# KiCad board Sofle_Pico_Panel.kicad_pcb (continued)
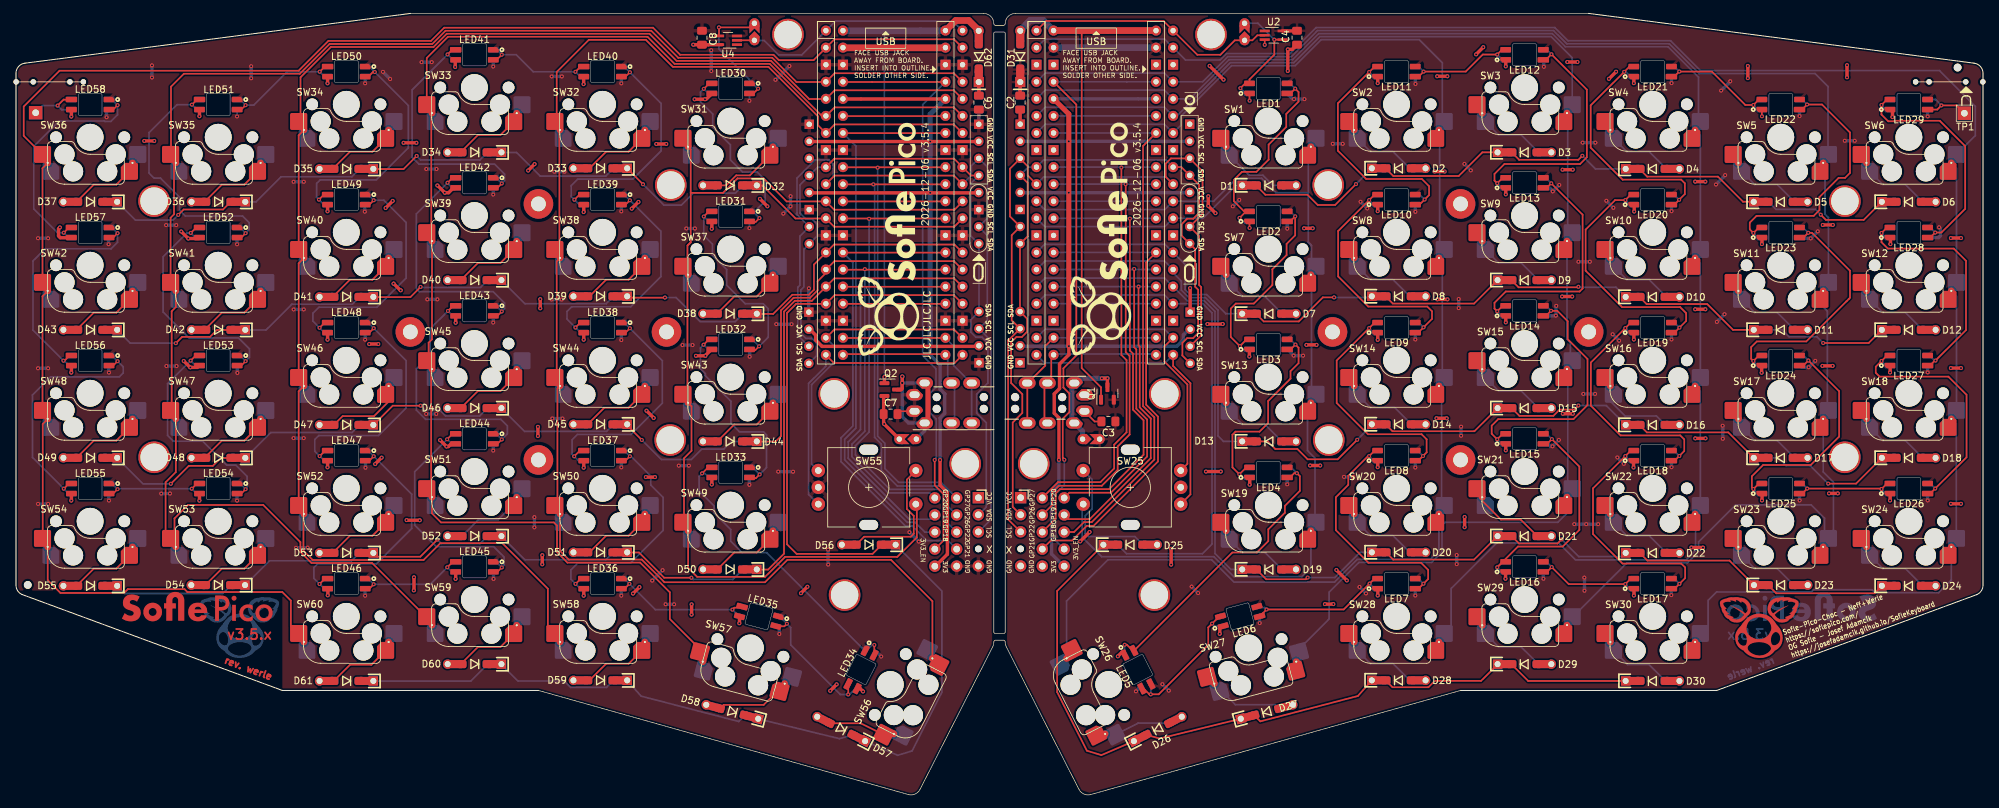
[diagram p0: board, top side]
## Footprints (pads in the part's own frame, mm; a bottom-side part is the same pattern mirrored in y, then rotated) (continued)
OLED SSD1306 128x64
  round 1.397 hole 0.813: 1(3.82,-12.575) 1(3.82,12.635) 1(13.98,-12.575) 1(13.98,12.635) 2(1.28,-12.575) 2(1.28,12.635) 2(11.44,-12.575) 2(11.44,12.635) 3(-1.26,-12.575) 3(-1.26,12.635) 3(6.36,-12.575) 3(6.36,12.635)
  rect 1.397x1.397 hole 0.813: 4(-3.8,-12.575) 4(-3.8,12.635) 4(8.9,-12.575) 4(8.9,12.635)
Pimaroni_PinHeader_1x05_P2.54mm_Vertical Sofle v3b
  round 1 hole 1 unplated: (0,-7.62)
  rect 1.7x1.7 hole 1: 1(0,0)
  oval 1.7x1.7 hole 1: 2(0,-2.54) 3(0,-5.08) 5(0,-10.16)
PinHeader_1x05_P2.54mm_Vertical
  round 1.7 hole 1: 1(0,0)
  oval 1.7x1.7 hole 1: 2(0,-2.54) 3(0,-5.08) 4(0,-7.62) 5(0,-10.16)
RotaryEncoder_Alps_EC11E-Switch_Vertical_H20mm-keebio_modified
  oval 2.8x1.5 hole 2.8x1.5 unplated: (0,5.6) (0,-5.6)
  round 2 hole 1: A(-7.5,2.5) B(-7.5,-2.5) C(-7.5,0) S1(7,-2.5) S2(7,2.5)
RPi_Pico_SMD_TH_DS
  round 1.5 hole 0.8: 1(-10.16,24.13) 1(10.16,24.13) 2(-10.16,21.59) 2(10.16,21.59) 4(-10.16,16.51) 4(10.16,16.51) 5(-10.16,13.97) 5(10.16,13.97) 6(-10.16,11.43) 6(10.16,11.43) 7(-10.16,8.89) 7(10.16,8.89) 9(-10.16,3.81) 9(10.16,3.81) 10(-10.16,1.27) 10(10.16,1.27) 11(-10.16,-1.27) 11(10.16,-1.27) 12(-10.16,-3.81) 12(10.16,-3.81) 14(-10.16,-8.89) 14(10.16,-8.89) 15(-10.16,-11.43) 15(10.16,-11.43) 16(-10.16,-13.97) 16(10.16,-13.97) 17(-10.16,-16.51) 17(10.16,-16.51) 19(-10.16,-21.59) 19(10.16,-21.59) 20(-10.16,-24.13) 20(10.16,-24.13) 21(-7.62,-24.13) 21(7.62,-24.13) 22(-7.62,-21.59) 22(7.62,-21.59) 24(-7.62,-16.51) 24(7.62,-16.51) 25(-7.62,-13.97) 25(7.62,-13.97) 26(-7.62,-11.43) 26(7.62,-11.43) 27(-7.62,-8.89) 27(7.62,-8.89) 29(-7.62,-3.81) 29(7.62,-3.81) 30(-7.62,-1.27) 30(7.62,-1.27) 31(-7.62,1.27) 31(7.62,1.27) 32(-7.62,3.81) 32(7.62,3.81) 34(-7.62,8.89) 34(7.62,8.89) 35(-7.62,11.43) 35(7.62,11.43) 36(-7.62,13.97) 36(7.62,13.97) 37(-7.62,16.51) 37(7.62,16.51) 39(-7.62,21.59) 39(7.62,21.59) 40(-7.62,24.13) 40(7.62,24.13)
  rect 1.5x1.5 hole 0.8: 3(-10.16,19.05) 3(10.16,19.05) 8(-10.16,6.35) 8(10.16,6.35) 13(-10.16,-6.35) 13(10.16,-6.35) 18(-10.16,-19.05) 18(10.16,-19.05) 23(-7.62,-19.05) 23(7.62,-19.05) 28(-7.62,-6.35) 28(7.62,-6.35) 33(-7.62,6.35) 33(7.62,6.35) 38(-7.62,19.05) 38(7.62,19.05)
SK6803_MINI-E_V2
  rrect 1.6x0.82 smd: 1(2.8,0.75) 2(2.8,-0.75) 3(-2.8,-0.75)
  rrect 1.6x0.82 smd far side: 1(2.8,-0.75) 2(2.8,0.75) 3(-2.8,0.75) 4(-2.8,-0.75)
  rrect 1.7x0.82 smd: 4(-2.8,0.75)
SK6803_MINI-E_V2#2
  rrect 1.6x0.82 smd: 1(2.8,0.75) 2(2.8,-0.75) 3(-2.8,-0.75)
  rrect 1.6x0.82 smd far side: 1(2.8,-0.75) 2(2.8,0.75) 3(-2.8,0.75) 4(-2.8,-0.75)
  rrect 1.7x0.82 smd: 4(-2.8,0.75)
SK6803_MINI-E_V2#3
  rrect 1.6x0.82 smd: 1(2.8,0.75) 2(2.8,-0.75) 3(-2.8,-0.75)
  rrect 1.6x0.82 smd far side: 1(2.8,-0.75) 2(2.8,0.75) 3(-2.8,0.75) 4(-2.8,-0.75)
  rrect 1.7x0.82 smd: 4(-2.8,0.75)
sofle diode jig
  round 0.8 hole 0.8 unplated: (-10,0) (-8,0) (-2.54,0) (0,0)
SOT-23
  rrect 1.475x0.6 smd: 1(-0.938,0.95) 2(-0.938,-0.95) 3(0.938,0)
SOT-353_SC-70-5_Handsoldering
  rect 1.5x0.4 smd: 1(-1.33,0.65) 2(-1.33,0) 3(-1.33,-0.65) 4(1.33,-0.65) 5(1.33,0.65)
Tenting_Puck.kicad_mod_nocenter_v2
  round 4.4 hole 2.2: 1(-19.05,0) 1(0,19.05) 1(0,-19.05) 1(19.05,0)
TestPoint_THTPad_2.0x2.0mm_Drill1.0mm
  rect 2x2 hole 1: 1(0,0)

## Nets
/Pri/3V3: J3.3 J4.3 J6.5 J7.3 U1.36
/Pri/3V3_EN: J6.4 U1.37
/Sec/3V3: J8.3 J9.3 J10.3 J11.5 U3.36
/Sec/3V3_EN: J11.4 U3.37
GND: C1.2 C2.2 C3.2 C4.2 C5.2 C6.2 C7.2 C8.2 J1.5 J2.1 J3.4 J4.4 J5.5 J7.4 J8.4 J9.4 J10.4 J12.5 J13.1 J14.5 LED1.1 LED2.1 LED3.1 LED4.1 LED5.1 LED6.1 LED7.1 LED8.1 LED9.1 LED10.1 LED11.1 LED12.1 LED13.1 LED14.1 LED15.1 LED16.1 LED17.1 LED18.1 LED19.1 LED20.1 LED21.1 LED22.1 LED23.1 LED24.1 LED25.1 LED26.1 LED27.1 LED28.1 LED29.1 LED30.1 LED31.1 LED32.1 LED33.1 LED34.1 LED35.1 LED36.1 LED37.1 LED38.1 LED39.1 LED40.1 LED41.1 LED42.1 LED43.1 LED44.1 LED45.1 LED46.1 LED47.1 LED48.1 LED49.1 LED50.1 LED51.1 LED52.1 LED53.1 LED54.1 LED55.1 LED56.1 LED57.1 LED58.1 SW25.C SW55.C U1.3 U1.8 U1.13 U1.18 U1.23 U1.28 U1.33 U1.38 U2.3 U3.3 U3.8 U3.13 U3.18 U3.23 U3.28 U3.33 U3.38 U4.3
VBUS: D31.2 D62.2 Q1.1 Q2.1 U1.40 U3.40
/Pri/col0: SW6.1 SW12.1 SW18.1 SW24.1 SW30.1 U1.2
/Pri/col1: SW5.1 SW11.1 SW17.1 SW23.1 SW29.1 U1.4
/Pri/col2: SW4.1 SW10.1 SW16.1 SW22.1 SW28.1 U1.5
/Pri/col3: SW3.1 SW9.1 SW15.1 SW21.1 SW27.1 U1.6
/Pri/col4: SW2.1 SW8.1 SW14.1 SW20.1 SW26.2 U1.7
/Pri/col5: SW1.1 SW7.1 SW13.1 SW19.1 SW25.S1 U1.11
/Pri/enca: SW25.A U1.19
/Pri/encb: SW25.B U1.20
/Pri/ENCB_SW: D25.2 SW25.S2
/Pri/gp18: U1.24
/Pri/gp19: J6.2 U1.25
/Pri/gp20: J6.1 U1.26
/Pri/gp21: J5.4 U1.27
/Pri/gp22: J5.3 U1.29
/Pri/gp26: J5.2 U1.31
/Pri/gp27: J5.1 U1.32
/Pri/gp28: J6.3 U1.34
/Pri/LED: JP2.1 U1.1 U2.2
/Pri/LEDOUT: JP2.2 LED1.2 U2.4
/Pri/row0: D1.1 D2.1 D3.1 D4.1 D5.1 D6.1 U1.12
/Pri/row1: D7.1 D8.1 D9.1 D10.1 D11.1 D12.1 U1.14
/Pri/row2: D13.1 D14.1 D15.1 D16.1 D17.1 D18.1 U1.15
/Pri/row3: D19.1 D20.1 D21.1 D22.1 D23.1 D24.1 U1.16
/Pri/row4: D25.1 D26.1 D27.1 D28.1 D29.1 D30.1 U1.17
/Pri/RX: J2.4 U1.22
/Pri/SCL: J1.3 J3.2 J4.2 J7.2 U1.10
/Pri/SDA: J1.2 J3.1 J4.1 J7.1 U1.9
/Pri/TX: J2.3 U1.21
/Sec/col0: SW36.1 SW42.1 SW48.1 SW54.1 SW60.1 U3.2
/Sec/col1: SW35.1 SW41.1 SW47.1 SW53.1 SW59.1 U3.4
/Sec/col2: SW34.1 SW40.1 SW46.1 SW52.1 SW58.1 U3.5
/Sec/col3: SW33.1 SW39.1 SW45.1 SW51.1 SW57.1 U3.6
/Sec/col4: SW32.1 SW38.1 SW44.1 SW50.1 SW56.2 U3.7
/Sec/col5: SW31.1 SW37.1 SW43.1 SW49.1 SW55.S1 U3.11
/Sec/enca: SW55.A U3.19
/Sec/encb: SW55.B U3.20
/Sec/ENCB_SW: D56.2 SW55.S2
/Sec/gp18: U3.24
/Sec/gp19: J11.2 U3.25
/Sec/gp20: J11.1 U3.26
/Sec/gp21: J12.4 U3.27
/Sec/gp22: J12.3 U3.29
/Sec/gp26: J12.2 U3.31
/Sec/gp27: J12.1 U3.32
/Sec/gp28: J11.3 U3.34
/Sec/LED: JP4.1 U3.1 U4.2
/Sec/LEDOUT: JP4.2 LED30.2 U4.4
/Sec/row0: D32.1 D33.1 D34.1 D35.1 D36.1 D37.1 U3.12
/Sec/row1: D38.1 D39.1 D40.1 D41.1 D42.1 D43.1 U3.14
/Sec/row2: D44.1 D45.1 D46.1 D47.1 D48.1 D49.1 U3.15
/Sec/row3: D50.1 D51.1 D52.1 D53.1 D54.1 D55.1 U3.16
/Sec/row4: D56.1 D57.1 D58.1 D59.1 D60.1 D61.1 U3.17
/Sec/RX: J13.4 U3.22
/Sec/SCL: J8.2 J9.2 J10.2 J14.3 U3.10
/Sec/SDA: J8.1 J9.1 J10.1 J14.2 U3.9
/Sec/TX: J13.3 U3.21
VDC: C1.1 C2.1 C3.1 C4.1 C5.1 C6.1 C7.1 C8.1 D31.1 D62.1 J1.1 J14.1 JP1.2 JP3.2 LED1.3 LED2.3 LED3.3 LED4.3 LED5.3 LED6.3 LED7.3 LED8.3 LED9.3 LED10.3 LED11.3 LED12.3 LED13.3 LED14.3 LED15.3 LED16.3 LED17.3 LED18.3 LED19.3 LED20.3 LED21.3 LED22.3 LED23.3 LED24.3 LED25.3 LED26.3 LED27.3 LED28.3 LED29.3 LED30.3 LED31.3 LED32.3 LED33.3 LED34.3 LED35.3 LED36.3 LED37.3 LED38.3 LED39.3 LED40.3 LED41.3 LED42.3 LED43.3 LED44.3 LED45.3 LED46.3 LED47.3 LED48.3 LED49.3 LED50.3 LED51.3 LED52.3 LED53.3 LED54.3 LED55.3 LED56.3 LED57.3 LED58.3 Q1.2 Q2.2 U1.39 U2.5 U3.39 U4.5
Net-(D1-A): D1.2 SW1.2
Net-(D2-A): D2.2 SW2.2
Net-(D3-A): D3.2 SW3.2
Net-(D4-A): D4.2 SW4.2
Net-(D5-A): D5.2 SW5.2
Net-(D6-A): D6.2 SW6.2
Net-(D7-A): D7.2 SW7.2
Net-(D8-A): D8.2 SW8.2
Net-(D9-A): D9.2 SW9.2
Net-(D10-A): D10.2 SW10.2
Net-(D11-A): D11.2 SW11.2
Net-(D12-A): D12.2 SW12.2
Net-(D13-A): D13.2 SW13.2
Net-(D14-A): D14.2 SW14.2
Net-(D15-A): D15.2 SW15.2
Net-(D16-A): D16.2 SW16.2
Net-(D17-A): D17.2 SW17.2
Net-(D18-A): D18.2 SW18.2
Net-(D19-A): D19.2 SW19.2
Net-(D20-A): D20.2 SW20.2
Net-(D21-A): D21.2 SW21.2
Net-(D22-A): D22.2 SW22.2
Net-(D23-A): D23.2 SW23.2
Net-(D24-A): D24.2 SW24.2
Net-(D26-A): D26.2 SW26.1
Net-(D27-A): D27.2 SW27.2
Net-(D28-A): D28.2 SW28.2
Net-(D29-A): D29.2 SW29.2
Net-(D30-A): D30.2 SW30.2
Net-(D32-A): D32.2 SW31.2
Net-(D33-A): D33.2 SW32.2
Net-(D34-A): D34.2 SW33.2
Net-(D35-A): D35.2 SW34.2
Net-(D36-A): D36.2 SW35.2
Net-(D37-A): D37.2 SW36.2
Net-(D38-A): D38.2 SW37.2
Net-(D39-A): D39.2 SW38.2
Net-(D40-A): D40.2 SW39.2
Net-(D41-A): D41.2 SW40.2
Net-(D42-A): D42.2 SW41.2
Net-(D43-A): D43.2 SW42.2
Net-(D44-A): D44.2 SW43.2
Net-(D45-A): D45.2 SW44.2
Net-(D46-A): D46.2 SW45.2
Net-(D47-A): D47.2 SW46.2
Net-(D48-A): D48.2 SW47.2
Net-(D49-A): D49.2 SW48.2
Net-(D50-A): D50.2 SW49.2
Net-(D51-A): D51.2 SW50.2
Net-(D52-A): D52.2 SW51.2
Net-(D53-A): D53.2 SW52.2
Net-(D54-A): D54.2 SW53.2
Net-(D55-A): D55.2 SW54.2
Net-(D57-A): D57.2 SW56.1
Net-(D58-A): D58.2 SW57.2
Net-(D59-A): D59.2 SW58.2
Net-(D60-A): D60.2 SW59.2
Net-(D61-A): D61.2 SW60.2
Net-(JP1-A): J2.2 JP1.1 Q1.3
Net-(JP3-A): J13.2 JP3.1 Q2.3
Net-(LED1-DOUT): LED1.4 LED2.2
Net-(LED2-DOUT): LED2.4 LED3.2
Net-(LED3-DOUT): LED3.4 LED4.2
Net-(LED4-DOUT): LED4.4 LED5.2
Net-(LED5-DOUT): LED5.4 LED6.2
Net-(LED6-DOUT): LED6.4 LED7.2
Net-(LED7-DOUT): LED7.4 LED8.2
Net-(LED8-DOUT): LED8.4 LED9.2
Net-(LED10-DIN): LED9.4 LED10.2
Net-(LED10-DOUT): LED10.4 LED11.2
Net-(LED11-DOUT): LED11.4 LED12.2
Net-(LED12-DOUT): LED12.4 LED13.2
Net-(LED13-DOUT): LED13.4 LED14.2
Net-(LED14-DOUT): LED14.4 LED15.2
Net-(LED15-DOUT): LED15.4 LED16.2
Net-(LED16-DOUT): LED16.4 LED17.2
Net-(LED17-DOUT): LED17.4 LED18.2
Net-(LED18-DOUT): LED18.4 LED19.2
Net-(LED19-DOUT): LED19.4 LED20.2
Net-(LED20-DOUT): LED20.4 LED21.2
Net-(LED21-DOUT): LED21.4 LED22.2
Net-(LED22-DOUT): LED22.4 LED23.2
Net-(LED23-DOUT): LED23.4 LED24.2
Net-(LED24-DOUT): LED24.4 LED25.2
Net-(LED25-DOUT): LED25.4 LED26.2
Net-(LED26-DOUT): LED26.4 LED27.2
Net-(LED27-DOUT): LED27.4 LED28.2
Net-(LED28-DOUT): LED28.4 LED29.2
Net-(LED29-DOUT): LED29.4 TP1.1
Net-(LED30-DOUT): LED30.4 LED31.2
Net-(LED31-DOUT): LED31.4 LED32.2
Net-(LED32-DOUT): LED32.4 LED33.2
Net-(LED33-DOUT): LED33.4 LED34.2
Net-(LED34-DOUT): LED34.4 LED35.2
Net-(LED35-DOUT): LED35.4 LED36.2
Net-(LED36-DOUT): LED36.4 LED37.2
Net-(LED37-DOUT): LED37.4 LED38.2
Net-(LED38-DOUT): LED38.4 LED39.2
Net-(LED39-DOUT): LED39.4 LED40.2
Net-(LED40-DOUT): LED40.4 LED41.2
Net-(LED41-DOUT): LED41.4 LED42.2
Net-(LED42-DOUT): LED42.4 LED43.2
Net-(LED43-DOUT): LED43.4 LED44.2
Net-(LED44-DOUT): LED44.4 LED45.2
Net-(LED45-DOUT): LED45.4 LED46.2
Net-(LED46-DOUT): LED46.4 LED47.2
Net-(LED47-DOUT): LED47.4 LED48.2
Net-(LED48-DOUT): LED48.4 LED49.2
Net-(LED49-DOUT): LED49.4 LED50.2
Net-(LED50-DOUT): LED50.4 LED51.2
Net-(LED51-DOUT): LED51.4 LED52.2
Net-(LED52-DOUT): LED52.4 LED53.2
Net-(LED53-DOUT): LED53.4 LED54.2
Net-(LED54-DOUT): LED54.4 LED55.2
Net-(LED55-DOUT): LED55.4 LED56.2
Net-(LED56-DOUT): LED56.4 LED57.2
Net-(LED57-DOUT): LED57.4 LED58.2
Net-(LED58-DOUT): LED58.4 TP2.1

Pads without a net: REF**#4 1; REF**#7 1; U1 30 35; U2 1; U3 30 35; U4 1

## Via types
v1: diameter 0.6, hole 0.3, Top to Bottom, 532 vias

## Routing (per net, layer and track width the routed paths; a pad name or vN(x,y) marks a point on that pad's centre or on a via; arc(x,y) is an arc through that point)
/Pri/3V3: length 165
  Top w0.5: v1(156.59,66.74) 156.59,65.46 155.2,64.07 155.2,60.42 154.42,59.63 154.42,56.75 155.11,56.06 v1(155.11,49.81)
  Top w0.75: v1(156.59,66.74) 156.58,66.75 v1(156.58,97.21) 156.58,101.27 U1.36
  Bottom w0.25: 166.92,103.54 166.92,103.53 166.92,103.54
  Bottom w0.5: 149.36,97.21 v1(156.58,97.21) 174.57,97.21 ; U1.36 166.92,103.54 ; U1.36 166.92,103.54 ; 149.4,66.72 172.67,66.72 173.62,67.67 173.62,68.4 174.47,69.25 ; 174.55,89.57 149.38,89.57 ; 155.82,34 154.02,35.8 154.02,44.96 155.11,46.05 v1(155.11,49.81)
  vias: v1(156.58,89.57)
/Pri/3V3_EN: length 88.9
  Top w0.25: U1.37 157.7,102.69 157.7,65.35 155.77,63.42 155.77,60.58 156.66,59.69 156.66,56.91 155.68,55.93 155.68,50.12 155.73,50.07 155.73,49.99 v1(155.91,49.82)
  Bottom w0.25: J6.4 154.61,37.81 154.61,44.74 155.91,46.04 v1(155.91,49.82) ; U1.37 165.19,106.08 165.2,106.07 165.2,106.08 U1.37
/Sec/3V3: length 165
  Top w0.25: 125.62,103.51 125.63,103.51 125.63,103.51
  Top w0.5: 143.19,97.19 v1(135.96,97.19) 117.98,97.19 ; 143.15,66.7 119.87,66.7 118.92,67.65 118.92,68.37 118.07,69.23 ; 122.99,103.51 125.62,103.51 ; 138.23,103.51 125.63,103.51 ; 136.72,33.98 138.52,35.78 138.52,44.94 137.43,46.03 v1(137.43,49.79) ; 118,89.55 143.17,89.55
  Bottom w0.5: v1(137.43,49.79) 137.43,56.04 138.13,56.73 138.13,59.61 138.11,59.62 138.11,59.64 137.43,60.32 137.43,63.96 135.95,65.44 v1(135.95,66.71)
  Bottom w0.75: 138.23,103.51 135.96,101.24 v1(135.96,97.19) 135.96,66.73 v1(135.95,66.71)
  vias: v1(135.96,89.55)
/Sec/3V3_EN: length 89
  Top w0.25: 138.23,106.05 127.35,106.05 127.34,106.05 127.34,106.05 122.99,106.05 ; 136.65,36.51 137.93,37.79 137.93,44.72 136.63,46.02 v1(136.63,49.79)
  Bottom w0.25: 138.23,106.05 134.85,102.67 134.85,65.32 136.82,63.35 136.82,60.6 135.88,59.66 135.88,56.89 136.86,55.91 136.86,50.09 136.81,50.04 136.81,49.97 v1(136.63,49.79)
GND: length 196.7
  Top w0.25: v1(177.33,89.03) 177.32,89.04 177.32,89.08 ; v1(259.67,100.95) 259.65,100.96 LED22.1 ; v1(185.72,111.57) 185.72,112.34 ; 189.15,107.65 v1(189.15,107.7) ; v1(183.47,103.27) 183.45,103.29 LED1.1 ; J2.1 160.42,55.52 C3.2 ; v1(183.47,84.32) 183.45,84.34 LED2.1 ; 131.54,57.05 J13.1
  Top w0.5: v1(272.32,108.55) v1(272.32,106.75) ; v1(196.38,33.41) v1(197.93,31.87) ; v1(259.62,62.77) 259.62,63.73 ; v1(251.25,72.22) v1(249.74,72.22) ; v1(250.9,36.75) 250.87,36.77 v1(249.17,36.77) ; v1(279.07,100.82) 279.08,100.84 279.08,101.79 ; v1(287.77,82.82) v1(289.27,82.82) ; v1(178.39,86.53) v1(177.32,87.6) 177.32,89.08 ; 278.78,82.89 278.78,81.94 v1(278.77,81.92) ; 183.48,47.09 183.48,46.14 v1(183.47,46.12) ; v1(289.27,43.27) v1(287.77,43.27) ; v1(237.97,107.57) v1(236.91,106.51) ; v1(202.52,67.67) 202.52,68.63 ; v1(259.67,81.92) 259.67,82.88 ; v1(212.9,73.7) v1(211.39,73.7) ; v1(195.92,28.35) v1(194.67,28.35) ; v1(212.78,56) v1(211.26,56) ; v1(202.52,48.72) 202.52,49.68 ; C1.2 149.34,99.76 ; v1(221.57,89.32) 221.57,90.28 ; v1(232.23,109.02) v1(230.71,109.02) ; v1(240.57,48.67) 240.57,49.63 ; v1(202.52,105.87) 202.52,106.83 ; 221.53,33.09 221.53,32.14 v1(221.52,32.12) ; v1(193.42,66.92) v1(191.92,66.92) ; v1(240.62,29.62) 240.63,29.64 240.63,30.59 ; v1(231.55,56.67) v1(230.05,56.67) ; v1(202.52,29.62) 202.53,29.64 202.53,30.59 ; v1(270.95,44.82) 270.95,44.82 v1(269.65,44.82) ; v1(212.88,106.9) v1(211.36,106.9) ; v1(176.98,48.07) 179.17,48.07 v1(179.18,48.08) ; v1(240.62,105.87) 240.62,106.83 ; v1(259.67,43.77) 259.68,43.79 259.68,44.74 ; v1(202.52,86.82) 202.52,87.78 ; v1(177.2,70.02) 179.46,70.02 v1(179.47,70.03) ; v1(278.72,62.82) 278.73,62.84 278.73,63.79 ; v1(231.45,74.12) v1(229.95,74.12) ; v1(289.27,63.47) v1(287.77,63.47) ; C4.2 189.82,110.9 v1(189.15,110.9) 189.15,107.65 ; v1(278.72,43.77) 278.73,43.79 278.73,44.74 ; v1(270.18,63.8) v1(268.66,63.8) ; v1(240.67,86.77) 240.67,87.73 ; v1(179.02,23.92) 179.03,23.94 179.03,24.99 ; v1(240.62,67.72) 240.62,68.68 ; v1(193.97,48.97) v1(192.47,48.97) ; v1(177.52,108.45) 179.57,106.4 v1(179.6,106.4) ; v1(183.43,65.19) 183.43,66.14 ; 164.84,21.21 164.5,21.21 v1(163.87,20.57) ; v1(171.8,36.59) v1(171.8,34.22) ; v1(251.27,53.01) v1(249.75,53.01) ; v1(158.27,37.67) v1(159.67,39.07) ; v1(218.22,111.22) v1(217.16,110.16) ; v1(231.53,93) v1(230.01,93) ; v1(215.45,41.3) v1(215.45,39.79) ; v1(257.57,108.42) v1(257.57,106.62) ; v1(174.62,75.37) 174.63,75.36 J4.4 ; v1(221.57,51.22) 221.57,52.18 ; v1(221.57,70.27) 221.57,71.23 ; v1(212.48,92.72) v1(210.96,92.72) ; v1(270.22,84.77) v1(268.72,84.77) ; v1(221.57,108.37) 221.57,109.33 ; v1(192.85,84.27) v1(191.57,84.27) ; v1(251.25,91.22) v1(249.74,91.22)
  Bottom w0.25: v1(109.07,103.25) 109.09,103.26 109.09,104.32 ; v1(32.87,100.92) 32.89,100.94 32.89,101.92 ; 103.4,107.62 v1(103.4,107.67) ; v1(109.07,84.3) 109.09,84.31 109.09,85.27
  Bottom w0.5: v1(90.02,105.85) 90.02,106.8 ; v1(51.92,29.6) 51.91,29.61 51.91,30.57 ; v1(114.13,86.46) v1(115.2,87.53) v1(115.2,89.05) ; 109.06,47.07 109.06,46.11 v1(109.07,46.1) ; v1(43.37,36.75) 41.67,36.75 v1(41.65,36.72) ; v1(113.36,48.05) 113.37,48.05 v1(115.57,48.05) ; v1(21.6,44.8) 21.6,44.8 v1(22.9,44.8) ; v1(79.66,106.87) v1(81.18,106.87) ; v1(71.02,32.1) 71.01,32.11 71.01,33.07 ; v1(79.76,55.97) v1(81.28,55.97) ; v1(61.17,73.7) v1(62.67,73.7) ; v1(41.29,91.2) v1(42.8,91.2) ; v1(90.02,48.7) 90.02,49.65 ; v1(41.29,72.2) v1(42.8,72.2) ; v1(77.1,41.28) v1(77.1,39.76) ; v1(80.06,92.7) v1(81.58,92.7) ; v1(70.97,108.35) 70.97,109.3 ; v1(3.27,43.25) v1(4.77,43.25) ; v1(113.52,23.9) 113.51,23.91 113.51,24.97 ; v1(32.92,62.75) 32.92,63.7 ; v1(70.97,70.25) 70.97,71.2 ; 117.91,71.77 117.91,75.34 v1(117.92,75.35) ; v1(20.22,108.52) v1(20.22,106.72) ; v1(103.4,110.78) 103.4,107.62 ; v1(112.95,106.37) 112.97,106.37 v1(115.02,108.42) ; v1(70.97,89.3) 70.97,90.25 ; v1(120.77,36.45) 120.77,34.25 v1(120.79,34.23) ; v1(22.36,63.77) v1(23.88,63.77) ; 13.81,63.77 13.81,62.81 v1(13.82,62.8) ; 13.81,44.72 13.81,43.76 v1(13.82,43.75) ; 32.86,44.72 32.86,43.76 v1(32.87,43.75) ; v1(134.27,37.65) v1(132.87,39.05) ; v1(60.31,109) v1(61.83,109) ; v1(22.32,84.75) v1(23.82,84.75) ; 127.7,21.18 128.04,21.18 v1(128.67,20.55) ; v1(96.62,28.32) v1(97.87,28.32) ; v1(51.92,67.7) 51.92,68.65 ; v1(99.12,66.9) v1(100.62,66.9) ; v1(70.97,51.2) 70.97,52.15 ; v1(79.64,73.67) v1(81.15,73.67) ; 13.46,101.77 13.46,100.81 v1(13.47,100.8) ; v1(13.77,81.9) 13.76,81.91 13.76,82.87 ; 143.2,101.91 143.2,99.74 ; v1(109.11,65.16) 109.11,66.12 ; v1(96.17,33.39) v1(94.62,31.84) ; v1(98.57,48.95) v1(100.07,48.95) ; v1(99.7,84.25) v1(100.97,84.25) ; v1(51.87,86.75) 51.87,87.7 ; 90.01,30.57 90.01,29.61 v1(90.02,29.6) ; v1(54.57,107.55) v1(55.64,106.48) ; v1(32.87,81.9) 32.87,82.85 ; v1(115.35,70) 113.08,70 v1(113.07,70) ; v1(51.92,105.85) 51.92,106.8 ; v1(41.28,53.05) v1(42.8,53.05) ; v1(61.01,93.1) v1(62.53,93.1) ; v1(61,56.65) v1(62.5,56.65) ; v1(34.97,108.4) v1(34.97,106.6) ; v1(90.02,67.65) 90.02,68.6 ; v1(4.77,82.8) v1(3.27,82.8) ; v1(90.02,86.8) 90.02,87.75 ; v1(3.27,63.45) v1(4.77,63.45) ; v1(51.97,48.65) 51.97,49.6
VBUS: length 163.5
  Top w0.25: 163.44,113.7 U1.40 ; Q1.1 161.37,60.6 158.5,63.47 158.5,113.25 158.05,113.7
  Top w0.5: v1(129.16,62.14) Q2.1
  Top w1: U1.40 U1.40 ; 138.23,113.67 139.76,115.2 141.7,115.2 143.2,113.7 143.2,112.32
  Bottom w0.25: v1(129.16,62.14) 129.16,113.61
  Bottom w1: 149.34,112.34 149.34,113.72 150.84,115.22 152.79,115.22 U1.40 ; 138.23,113.67 122.99,113.67
/Pri/col0: length 265.1
  Top w0.25: SW30.1 249.73,21.92 SW30.1
  Bottom w0.25: SW6.1 291.4,98.06 291.4,102.42 286.07,107.75 250.52,107.75 246.08,112.18 230.82,112.18 228.86,114.15 193.37,114.15 189.5,110.27 180.04,110.27 179.09,109.32 173.93,109.32 U1.2 170.83,112.42 153.04,112.42 U1.2 ; 287.83,75.45 SW12.1 288.6,74.19 SW18.1 ; SW12.1 288.6,93.24 SW6.1 287.83,94.5 ; SW30.1 249.73,23.2 SW30.1 251.67,25.14 251.67,28.9 252.92,30.15 267.03,30.15 267.36,30.48 276.03,30.48 276.47,30.04 285.94,30.04 287.83,31.93 SW24.1 288.57,37.6 288.57,55.17 SW18.1 287.83,56.4
/Pri/col1: length 245.7
  Top w0.25: SW29.1 230.68,24.42 SW29.1
  Bottom w0.25: SW5.1 269.5,94.73 269.5,105.37 267.57,107.3 250.33,107.3 245.9,111.73 230.63,111.73 228.67,113.7 193.56,113.7 189.68,109.82 180.23,109.82 176.48,106.08 U1.4 170.8,107.37 153.07,107.37 U1.4 ; SW11.1 269.55,85.86 269.04,86.38 269.04,93.75 ; 268.97,38.22 268.97,41.13 266.98,43.12 255.77,43.12 250.25,37.6 250.25,36.13 248.6,34.49 239.59,34.49 230.68,25.58 ; 270.3,38.38 270.3,46.5 268.78,48.01 SW17.1 269.39,56.53 269.39,71.95 268.78,72.56 SW11.1 268.78,75.45 ; 269.55,37.64 SW23.1
/Pri/col2: length 224.9
  Bottom w0.25: 249.73,61.3 SW16.1 250.5,60.04 SW22.1 ; SW16.1 250.5,79.09 SW10.1 249.73,80.35 ; 249.79,41.7 249.79,36.32 248.41,34.94 231.93,34.94 229.43,37.44 220.22,37.44 213.44,30.66 213.44,24.53 SW28.1 ; U1.5 153.07,104.83 170.8,104.83 U1.5 174.58,103.54 180.41,109.37 189.87,109.37 193.75,113.25 228.48,113.25 230.45,111.28 245.71,111.28 250.23,106.76 250.23,99.41 SW4.1 250.5,98.14 SW10.1 ; SW22.1 249.73,42.25
/Pri/col3: length 207.9
  Bottom w0.25: U1.6 153.07,102.29 170.8,102.29 U1.6 ; 172.35,101 172.67,101 180.6,108.92 190.06,108.92 193.93,112.8 228.3,112.8 231.45,109.64 231.45,102.19 SW3.1 ; 230.79,63.2 230.79,44.38 ; 230.78,101.31 230.78,84.3 ; SW15.1 231.18,63.81 231.18,67.27 230.68,67.77 SW9.1 ; SW21.1 230.68,41.88 229.32,40.52 212.55,40.52 212.08,40.05 212.08,36.09 210.53,34.55 199.72,34.55 195.3,30.12 195.3,26.15 190.4,21.25 SW27.1
/Pri/col4: length 215.5
  Top w0.25: SW26.2 156.25,20.76 SW26.2
  Bottom w0.25: SW2.1 212.13,99.41 212.13,108.91 208.7,112.35 194.12,112.35 190.24,108.47 180.79,108.47 173.27,100.96 173.27,99.64 U1.7 170.8,99.75 153.07,99.75 U1.7 ; SW26.2 156.25,20.19 SW26.2 156.25,28.8 162.4,34.95 177.82,34.95 181.15,31.62 196.1,31.62 199.48,35 210.35,35 211.63,36.28 SW20.1 212.02,42.15 212.02,60.42 SW14.1 212.13,61.31 212.13,79.36 SW8.1 ; 211.73,79.96 211.73,98.81
/Pri/col5: length 148.2
  Bottom w0.25: 192.58,81.82 192.68,81.72 192.68,58.41 ; 192.58,81.82 192.2,82.2 ; 192.58,81.82 192.2,82.2 ; 158.57,43.07 158.57,38.3 161.47,35.4 178.16,35.4 181.14,32.42 191.24,32.42 192.58,33.76 SW19.1 ; 193.2,40.68 193.2,50.07 192.08,51.19 192.08,57.81 SW13.1 ; 192.2,89.57 192.2,96.03 SW1.1 ; 192.2,89.57 192.2,82.2 ; 192.2,89.57 187.4,89.57 185.25,91.72 181.55,91.72 178.12,88.3 U1.11 170.86,87.06 152.97,87.06 151.77,88.25
/Pri/enca: length 43.5
  Top w0.25: U1.19 170.8,66.68 170.8,64.45 174.22,61.02 174.22,49.22 173.22,48.22
  Bottom w0.25: U1.19 170.83,69.24 153.04,69.24 U1.19
/Pri/encb: length 45.2
  Top w0.25: 173.22,43.22 174.67,44.67 174.67,61.21 172.09,63.79 U1.20
  Bottom w0.25: U1.20 170.9,64.25 152.96,64.25 U1.20
/Pri/ENCB_SW: length 19.6
  Bottom w0.25: D25.2 166.4,38.4 159.46,38.4 159.02,38.83 159.02,41.5 160.05,42.52 160.05,46.9 SW25.S2
/Pri/gp18: length 15.2
  Bottom w0.25: U1.24 U1.24
/Pri/gp19: length 58.4
  Top w0.25: v1(166.95,75.6) 166.95,66.84 167.12,66.67 167.12,57.62 168.77,55.97 168.77,50.07 159.7,41 156.5,41 J6.2
  Bottom w0.25: U1.25 U1.25
/Pri/gp20: length 58.8
  Top w0.25: v1(166.29,78.22) 166.3,78.21 166.3,66.56 166.62,66.25 166.62,57.42 168.22,55.82 168.22,50.31 162.84,44.92 156.66,44.92 J6.1
  Bottom w0.25: U1.26 U1.26
/Pri/gp21: length 70.3
  Top w0.25: U1.27 168.08,79.21 168.08,58.01 169.85,56.25 169.85,49.57 160.27,40 159.25,40 157.06,37.81 153.92,37.81 J5.4
  Bottom w0.25: U1.27 U1.27
/Pri/gp22: length 73.3
  Top w0.25: J5.3 154.62,41.05 154.62,44.81 155.25,45.45 162.57,45.45 167.7,50.57 167.7,55.7 166.12,57.27 166.12,65.62 165.65,66.1 165.67,66.12 v1(165.67,85.7)
  Bottom w0.25: U1.29 U1.29
/Pri/gp26: length 73.8
  Top w0.25: J5.2 154.11,43.08 154.11,44.99 155.07,45.95 161.48,45.95 163.85,48.32 163.85,51.8 165.62,53.58 165.62,65.27 165.04,65.85 165.04,90.83 v1(165.03,90.84)
  Bottom w0.25: U1.31 U1.31
/Pri/gp27: length 73.6
  Top w0.25: v1(164.4,93.32) 164.4,65.42 165.17,64.65 165.17,53.92 163.32,52.07 163.32,48.53 161.28,46.49 154.97,46.49 152.64,44.16
  Bottom w0.25: U1.32 U1.32
/Pri/gp28: length 83.2
  Top w0.25: J6.3 157.36,39.07 158.83,40.55 160,40.55 169.3,49.85 169.3,56.15 167.62,57.82 167.62,96.53 U1.34
  Bottom w0.25: U1.34 U1.34
/Pri/LED: length 37.8
  Top w0.25: U2.2 184.62,113 183.87,112.25 JP2.1 181.27,112.25 179.12,110.1 175.69,110.1 U1.1 170.67,115.12 153.2,115.12 U1.1
/Pri/LEDOUT: length 18
  Top w0.25: v1(182.1,105.12) 182.82,105.84 LED1.2 183.45,106.43 187.15,110.12 v1(187.15,112.35) 188.38,112.35
  Bottom w0.25: v1(187.15,112.35) 184.71,114.79 JP2.2 ; LED1.2 182.88,104.34 v1(182.1,105.12)
/Pri/row0: length 131.7
  Top w0.25: 258.43,88.23 256.85,88.23 253.12,91.96 242.6,91.96 D4.1 ; v1(232.96,95.06) 232.36,94.47 223.55,94.47 D3.1 ; D1.1 185.82,89.26 192.08,89.26 193.61,87.74 196.18,87.74 v1(199.29,90.85) ; D3.1 218.08,95.58 214.57,92.06 204.83,92.06 D2.1 ; v1(268.41,86.29) 269.19,85.52 274.8,85.52 277.49,88.21
  Bottom w0.25: v1(199.29,90.85) D2.1 ; v1(268.41,86.29) 267.62,87.09 261.76,87.09 260.64,88.21 D5.1 ; D1.1 181.43,90.66 176.53,85.76 U1.12 170.87,84.53 153,84.53 U1.12 ; v1(232.96,95.06) 234.91,93.11 D4.1
/Pri/row1: length 130.9
  Top w0.25: D9.1 216.86,73.07 204.77,73.07 D8.1 ; D9.1 223.47,75.49 232.29,75.49 v1(232.37,75.57) ; D11.1 255.36,69.16 251.53,73 242.51,73 D10.1 ; v1(196.03,73.99) 194.37,73.99 190.79,70.41 185.57,70.41 D7.1 ; D12.1 275.54,67.2 v1(268.77,67.2)
  Bottom w0.25: D7.1 179.93,71.56 177.08,74.41 174.62,74.41 173.87,75.16 173.87,78.9 U1.14 170.89,81.88 152.98,81.88 U1.14 ; v1(196.03,73.99) 196.05,73.97 201.47,73.97 ; D11.1 262.66,69.16 263.69,68.13 267.84,68.13 v1(268.77,67.2) ; D10.1 237.97,75.49 232.45,75.49 v1(232.37,75.57)
/Pri/row2: length 151.1
  Top w0.25: v1(269.52,46.27) 273.66,46.27 D18.1 ; D15.1 223.59,56.37 228.65,56.37 229.58,57.3 231.77,57.3 v1(232.37,57.9) ; v1(199.47,52.8) 196.56,49.89 192.11,49.89 190.57,51.43 187.29,51.43 186.16,52.56 D13.1 ; D15.1 216.91,54.07 204.72,54.07 D14.1 ; D16.1 242.56,53.9 254.66,53.9 D17.1
  Bottom w0.25: U1.15 170.83,79.4 153.04,79.4 U1.15 ; v1(269.52,46.27) 266.85,48.94 263.26,48.94 262.09,50.11 D17.1 ; 172.09,77.65 173.32,76.42 173.32,75.07 174.43,73.96 176.9,73.96 178.77,72.08 178.77,53.37 179.59,52.56 D13.1 ; 239.4,55.01 236.51,57.9 v1(232.37,57.9) ; v1(199.47,52.8) 201.64,54.97
/Pri/row3: length 163.1
  Top w0.25: v1(229.87,37.97) 229.26,37.36 223.55,37.36 D21.1 ; D19.1 185.93,32.05 191.85,32.05 v1(192.1,32.3) ; D23.1 261.8,29.95 276.39,29.95 D24.1 ; D20.1 204.82,34.97 216.86,34.97 D21.1 ; D22.1 242.64,34.82 254.84,34.82 D23.1
  Bottom w0.25: U1.16 153.02,76.85 170.84,76.85 U1.16 174.18,73.51 176.71,73.51 178.32,71.9 178.32,35.87 180.69,33.51 D19.1 ; v1(229.87,37.97) 232.42,35.42 238.86,35.42 ; v1(192.1,32.3) 196.14,32.3 199.9,36.05 D20.1
/Pri/row4: length 189.9
  Top w0.25: D25.1 154.85,30.31 154.85,15.25 159.27,6.52 161.42,5.87 D26.1 ; D29.1 224.9,16.91 D30.1 ; D28.1 204.72,15.97 210.07,15.97 211.01,16.92 217.9,16.92 220.35,19.37 D29.1 ; D27.1 170.1,8.35 D26.1 ; D27.1 185.06,10.9 199.57,14.67 D28.1
  Bottom w0.25: U1.17 153.07,74.35 170.8,74.35 U1.17 176.51,73.06 177.87,71.7 177.87,37.27 176.45,35.85 165.15,35.85 D25.1
/Pri/RX: length 29.5
  Top w0.25: 150.41,61.25 150.41,55.3 ; U1.22 153.08,66.74 153.08,63.84 150.48,61.25
  Bottom w0.25: U1.22 U1.22
/Pri/SCL: length 123.8
  Top w0.25: U1.10 170.99,91.93 170.99,93.9 171.77,94.67 174.57,94.67 176.47,92.77 176.47,86.41 174.57,84.51 175.96,83.12 175.96,75.84 176.27,75.52 176.27,68.35 J4.2 ; 149.41,39.1 147.55,40.96 147.55,67.55 149.33,69.33 148.09,70.57 148.09,83.24 149.36,84.51 147.83,86.04 147.83,93.14 149.36,94.67 ; U1.10 150.47,92.14 150.47,93.5 149.3,94.67
  Bottom w0.25: U1.10 171.02,91.91 152.85,91.91 U1.10
/Pri/SDA: length 115.4
  Top w0.25: 149.36,92.13 150.46,91.03 150.46,83.07 149.36,81.97 ; 149.33,81.94 149.33,71.87 150.38,70.82 150.38,68.88 149.59,68.1 148.78,68.1 148,67.31 148,61.25 149.66,59.59 149.66,56.79 148.24,55.36 148.24,42.81 149.41,41.64 ; J4.1 173.47,65.33 173.47,67.22 174.17,67.92 175.07,67.92 175.82,68.67 175.82,75.12 175.37,75.57 175.37,81.17 173.37,83.17 173.37,84.9 174.17,85.7 175.09,85.7 175.94,86.55 175.94,90.75 173.32,93.38 U1.9
  Bottom w0.25: 149.3,92.13 150.54,93.38 U1.9 152.85,94.45 171.02,94.45 U1.9
/Pri/TX: length 23.3
  Top w0.25: 152.96,60.8 152.96,55.75 ; 153.97,65.09 153.97,61.81
  Bottom w0.25: 169.42,65.57 154.45,65.57
/Sec/col0: length 265.2
  Top w0.25: 3.94,76.2 3.94,93.21 4.71,93.99 4.71,94.47 ; 3.94,95.25 1.15,98.04 1.15,102.4 6.47,107.72 42.02,107.72 46.46,112.16 61.73,112.16 63.69,114.12 94.75,114.12 98.77,110.1 112.65,110.1 113.45,109.3 118.62,109.3 121.72,112.4 139.51,112.4 140.77,111.13 ; 4.71,56.37 4.71,55.89 3.97,55.14 3.97,37.58 4.71,36.84 4.71,31.9 6.61,30.01 16.07,30.01 16.64,30.58 25.05,30.58 25.49,30.14 39.61,30.14 40.87,28.88 40.87,25.11 42.81,23.17 42.81,22.69 ; 3.94,57.15 3.94,74.16 4.71,74.94 4.71,75.42
  Bottom w0.25: 42.81,22.69 42.81,21.89 43.28,21.43
/Sec/col1: length 245.7
  Top w0.25: 22.99,76.2 22.99,85.84 23.5,86.35 23.5,93.73 ; 23.76,93.99 23.05,94.7 23.05,105.35 24.97,107.27 42.21,107.27 46.65,111.71 61.91,111.71 63.87,113.67 94.47,113.67 98.5,109.65 112.47,109.65 116.06,106.05 120.45,106.05 121.75,107.35 139.48,107.35 140.77,106.05 ; 22.25,38.35 22.25,46.47 23.76,47.99 23.76,55.89 23.15,56.5 23.15,71.92 23.76,72.54 23.76,75.42 ; 61.86,25.55 52.96,34.46 43.95,34.46 42.3,36.11 42.3,37.57 36.77,43.1 25.56,43.1 23.57,41.1 23.57,38.19 ; 22.99,37.61 23.76,36.84
  Bottom w0.25: 62.33,23.93 61.86,24.39 61.86,25.19
/Sec/col2: length 224.9
  Top w0.25: 42.04,62.05 42.04,79.06 42.81,79.84 42.81,80.32 ; 42.04,43 42.04,60.01 42.81,60.79 42.81,61.27 ; 42.04,81.1 42.04,98.11 42.81,98.89 42.31,99.39 42.31,106.74 46.83,111.26 62.1,111.26 64.06,113.22 94.22,113.22 98.25,109.2 112.28,109.2 117.97,103.51 120.45,103.51 121.75,104.81 139.48,104.81 140.77,103.51 ; 42.81,41.74 42.81,42.22 ; 42.75,41.67 42.75,36.29 44.13,34.91 60.61,34.91 63.11,37.41 72.32,37.41 79.1,30.63 79.1,24.5 80.91,22.69
